# Altium PCB Board.PcbDoc (continued)
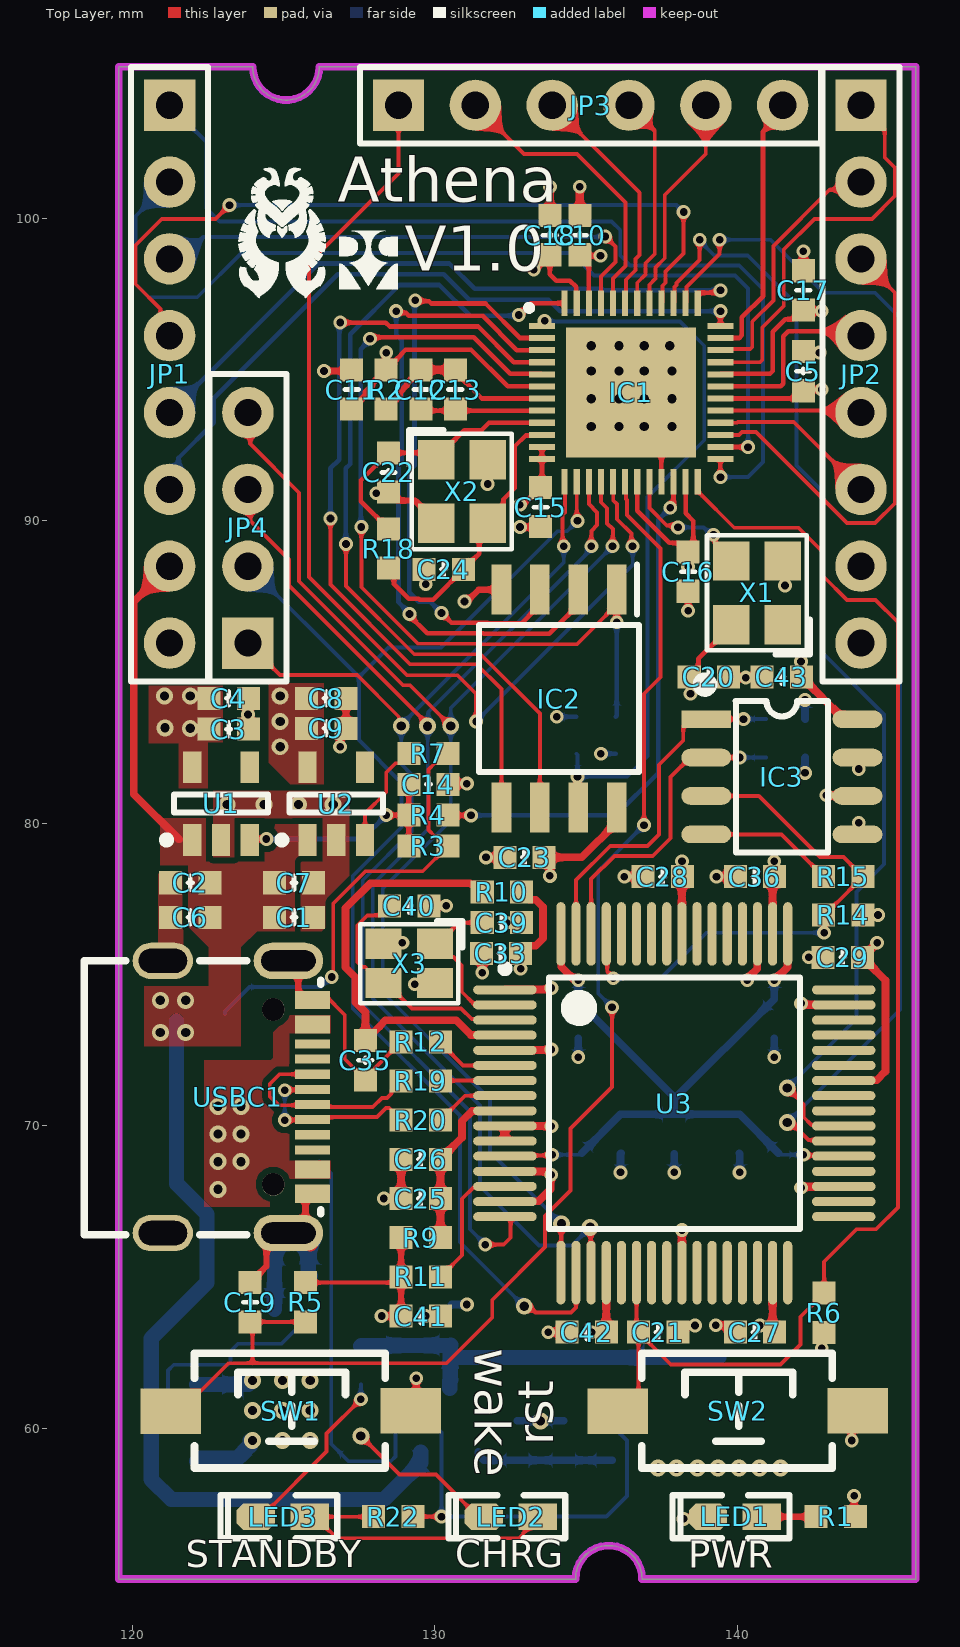
[diagram p0: Top Layer view]
## Nets (pads, with @x,y where several pads share a name; then routed paths per layer and width w, separated by ;. In a path a pad name is that pad's centre, name@x,y a point inside that pad or via, vN(x,y) a via of type N, cw(c..) or ccw(c..) an arc to the next point about the centre after c; other vN are vias at no path point)
1V8: C3.1 C4.1 C5.2 C10.1 C11.2 IC1.6 IC1.30 IC1.46 R2.1 U1.5 | length 14
  Top Layer w0.152: v1(128.397,95.555) R2.1 128.88,95.468 128.88,95.491 129.035,95.646 131.201,95.646 132.41,94.437 IC1.6 ; C10.1 134.834,98.755 v1(135.484,98.755) ; IC1.46 135.096,97.966 C10.1@135.096,98.721 ; IC1.30 141.931,94.037 C5.2 142.229,94.336 v1(142.799,94.336)
  Top Layer w0.203: C11.2 127.711,94.143 127.711,94.25 127.94,94.478 127.94,94.528 R2.1
  other v2: 121.92,83.134 121.08,83.15 121.07,84.201 121.92,84.201
3V3: C8.1 C9.1 C15.2 C16.2 C17.2 C18.2 C20.2 C23.1 C27.2 C28.2 C29.2 C33.2 C36.2 C41.2 C42.2 C43.1 IC1.11 IC1.12 IC1.19 IC1.23 IC1.32 IC1.47 IC2.8 IC3.6 IC3.8 JP2.7 R1.1 R5.2 R6.2 R8.2 R9.2 R10.2 R11.2 R13.2 R14.2 R16.2 R17.2 U2.5 U3.20 U3.31 U3.42 U3.50 U3.56 X1.4 | length 57.2
  Top Layer w0.127: R5.2 128.702,64.81 R11.2 ; v1(142.799,62.636) 142.799,63.089 R6.2
  Top Layer w0.152: v1(132.817,90.526) 132.875,90.584 132.987,90.584 133.546,91.143 IC1.12 IC1.11 ; C18.2@133.807,98.755 133.807,98.146 134.016,97.937 134.466,97.937 134.675,97.728 134.675,97.208 IC1.47 ; IC1.19 136.703,91.28 136.703,90.325 137.757,89.271 138.074,89.271 C16.2@138.296,89.049 ; IC1.23 138.296,90.243 138.55,89.989 138.55,89.271 138.328,89.049 C16.2@138.296,89.049 ; v1(138.379,88.479) C16.2 C16.2@138.296,89.049 ; v1(138.455,84.277) 138.455,84.796 C20.2 138.72,85.141 138.72,85.43 139.803,86.513 X1.4 ; IC1.32 139.467,94.858 141.084,94.858 141.173,94.947 141.173,96.239 141.591,96.657 141.88,96.657 C17.2@142.149,96.926
  Top Layer w0.203: v1(128.245,63.703) C41.2 R11.2 R9.2 ; v1(133.274,98.298) 133.314,98.298 C18.2 ; v1(143.866,57.76) 143.866,57.114 R1.1
  Top Layer w0.254: v1(132.842,75.184) C33.2 133.096,75.946 133.339,75.946 133.583,76.19 133.583,77.226 133.339,77.47 133.126,77.47 R10.2 ; v1(133.807,78.257) 133.807,78.679 C23.1 134.866,78.867 136.017,80.018 IC2.8 ; v1(135.189,63.17) C42.2 ; C42.2@135.651,63.246 135.672,63.267 U3.20 ; U3.56 138.172,78.213 C28.2 138.176,78.247 v1(138.176,78.74) ; v1(140.752,63.394) 141.014,63.394 C27.2 ; U3.31 141.172,63.313 C27.2@141.239,63.246 ; U3.50 141.172,78.165 C36.2 141.224,78.247 v1(141.224,78.74) ; v1(142.113,85.344) 142.113,84.851 C43.1 143.525,83.439 IC3.8 ; C17.2@142.225,96.926 v1(142.799,96.926) ; v1(142.951,80.924) 142.964,80.912 143.965,80.912 IC3.6 ; U3.42 143.531,71.498 144.61,71.498 144.902,71.79 144.902,74.808 C29.2 v1(144.628,76.048) ; R14.2@144.16,76.708 144.414,76.962 v1(144.653,76.962)
  Bottom Layer w0.152: v1(134.036,83.515) R16.2 ; v1(135.494,82.296) R17.2
  Bottom Layer w0.254: v1(142.24,81.661) 142.24,82.154 R13.2 ; v1(142.24,84.074) 142.24,83.454 R8.2
  other v2: 124.892,82.525 124.892,83.363 124.892,84.201
GND: C1.2 C2.2 C3.2 C4.2 C5.1 C6.2 C7.2 C8.2 C9.2 C10.2 C11.1 C14.1 C15.1 C16.1 C17.1 C18.1 C19.1 C20.1 C21.1 C22.1 C23.2 C24.2 C25.1 C26.1 C27.1 C28.1 C29.1 C30.1 C31.1 C32.1 C33.1 C35.1 C36.1 C37.1 C38.1 C39.1 C40.1 C41.1 C42.1 C43.2 C44.1 C45.1 C46.1 C47.1 IC1.21 IC1.49 IC2.4 IC3.5 IC3.7 J1.1 J1.3 J1.9 JP1.8 JP2.8 JP5.1 LED1.2 R12.1 R21.1 R24.1 SW1.2 SW2.2 U1.2 U2.2 U3.1 U3.5 U3.10 U3.11 U3.13 U3.15 U3.25 U3.35 U3.47 U3.51 USBC1.0 USBC1.A1 USBC1.A12 USBC1.B1 USBC1.B12 X1.2 X2.2 X2.4 X3.2 X3.4 | length 72.9
  Top Layer w0.127: USBC1.A1 126.387,74.298 127.025,73.659 127.025,72.197 C35.1 128.029,71.829 128.029,71.91 R12.1
  Top Layer w0.152: IC1.49 137.496,93.237 IC1.21 ; v1(138.379,87.02) C16.1
  Top Layer w0.203: C19.1 124.435,65.344 124.435,66 124.883,66.448 USBC1.0@125.163,66.448 ; USBC1.0@125.163,75.448 125.488,75.123 125.488,74.046 125.537,73.998 USBC1.B12 ; USBC1.0@125.73,66.908 125.73,67.55 125.778,67.598 USBC1.A12 USBC1.B1 ; v1(126.34,94.945) 127.213,94.945 C11.1 ; v1(126.873,82.525) 126.873,82.941 C9.2 C8.2 ; v1(128.067,90.907) 128.438,90.907 C22.1 128.753,90.663 129.353,90.663 130.05,89.966 X2.2 ; X3.2 128.345,76.048 v1(128.93,76.048) ; SW1.2 129.388,60.757 v1(129.388,61.646) ; v1(129.341,74.676) 129.973,74.676 X3.4 ; C24.2 129.707,88.337 v1(129.707,87.898) ; C40.1 v1(130.378,77.267) ; v1(130.988,87.325) 131.057,87.325 131.449,87.718 IC2.4 ; v1(131.75,91.211) X2.4 ; v1(132.82,89.787) 133.491,89.787 C15.1 ; v1(138.227,56.998) 138.262,57.032 139.001,57.032 LED1.2 ; X1.2 141.58,88.587 v1(141.58,87.859) ; SW2.2@143.764,60.579 143.789,60.554 v1(143.789,59.588)
  Top Layer w0.254: C4.2@123.825,84.125 123.825,83.124 C3.2 ; v1(128.321,67.589) C25.1 ; C25.1@128.89,67.655 C26.1@128.89,68.656 ; v1(129.703,63.703) C41.1 ; C14.1 130.469,81.305 v1(131.064,81.305) ; C33.1 131.572,75.662 v1(131.572,75.057) ; v1(131.699,78.867) C23.2 ; U3.15 132.331,67.498 133.432,67.498 133.828,67.894 v1@133.828,68.423 ; U3.13 132.331,68.48 133.697,68.48 133.8,68.377 v1(133.855,68.377) ; U3.11 U3.10 132.328,69.983 133.852,69.983 v1(133.858,69.977) ; U3.5 132.331,72.498 133.839,72.498 v1(133.858,72.517) ; U3.1 132.331,74.498 133.752,74.498 133.803,74.549 v1(133.858,74.549) ; v1(132.385,76.708) C39.1@132.618,76.708 ; v1(133.756,63.17) C42.1 ; C18.1 v1(133.807,101.041) ; C10.2 v1(134.798,101.041) ; v1(136.271,78.232) C28.1 ; C21.1 138.263,63.394 v1(138.608,63.394) ; U3.25 138.174,65.141 138.174,66.546 v1(138.176,66.548) ; v1(139.294,63.398) 139.71,63.398 C27.1 ; v1(139.319,78.232) C36.1 ; C20.1 139.741,84.811 v1(140.284,84.811) ; v1@140.259,84.836 C43.2 ; v1(140.335,74.803) 140.335,74.858 140.663,75.186 140.663,76.33 U3.51 ; v1(142.113,67.945) 142.148,67.98 143.513,67.98 U3.35 ; v1(142.113,74.041) 142.168,74.041 142.211,73.998 143.513,73.998 U3.47 ; C5.1 142.23,95.555 v1(142.723,95.555) ; C17.1 v1(142.189,98.908) ; v1(142.367,75.565) C29.1 ; IC3.5 144.018,79.669 v1(144.018,80.01) ; IC3.7 144.018,82.129 v1(144.018,81.788)
  Top Layer w0.508: USBC1.0@125.163,66.448 125.526,66.448 USBC1.0@125.882,66.092
  Bottom Layer w0.254: C46.1 130.566,64.084 v1(131.064,64.084) ; C47.1 R24.1 ; v1(134.747,72.263) C30.1 ; v1(136.144,68.453) 136.144,69.073 C32.1 ; v1(137.922,68.453) C37.1 ; C31.1 140.081,69.073 v1(140.081,68.453) ; v1(141.224,72.263) C38.1
  Bottom Layer w0.508: J1.1@122.135,58.903 122.231,58.999 123.482,58.999 123.901,59.418 J1.9@123.901,59.588 ; J1.3@122.149,61.456 122.135,61.443 123.844,61.443 123.901,61.5 J1.9@123.901,61.57 ; C45.1 C44.1 124.704,66.128 125.023,66.448 125.505,66.448 125.824,66.128 125.824,65.097 R21.1
  other v1: 123.825,83.591
  other v2: 137.389,58.674 137.998,58.674 138.684,58.674 139.37,58.674 140.056,58.674 140.741,58.674 141.427,58.674 123.977,59.588 124.968,59.588 125.882,59.588 133.502,60.238 123.977,60.579 124.968,60.579 125.882,60.579 123.977,61.57 124.968,61.57 125.882,61.57 123.139,80.62 124.358,80.62 125.501,80.62 126.644,80.62 135.179,93.116 136.093,93.116 136.931,93.116 137.846,93.116 135.179,94.031 136.093,94.031 136.931,94.031 137.846,94.031 135.179,94.945 136.093,94.945 136.931,94.945 137.846,94.945 135.179,95.783 136.093,95.783 136.931,95.783 137.77,95.783
HF_U1_RX: IC1.45 JP1.3 | length 17.3
  Top Layer w0.127: IC1.45 135.496,98.067 135.979,98.55 135.979,99.058 v1(135.641,99.397)
  Bottom Layer w0.127: JP1.3 121.625,98.654 122.349,99.377 135.622,99.377 v1(135.641,99.397)
HF_U1_TX: IC1.40 JP1.4 | length 25.5
  Top Layer w0.127: JP1.4 120.933,96.415 120.933,96.999 120.117,97.815 120.117,99.116 120.976,99.974 122.758,99.974 v1(123.215,100.432) ; IC1.40 137.529,97.22 137.529,97.766 137.63,97.866 137.63,98.234 138.227,98.831 138.227,100.2 v1(138.23,100.203)
  Bottom Layer w0.127: v1(123.215,100.432) 137.991,100.432 138.219,100.203 v1(138.23,100.203)
I2C_SCL: IC1.37 JP1.5 | length 21.7
  Top Layer w0.152: IC1.37 138.696,97.512 138.72,97.536 139.287,97.536 139.364,97.612 v1(139.446,97.612)
  Bottom Layer w0.152: JP1.5 126.162,98.501 130.48,98.501 131.318,97.663 135.532,97.663 135.583,97.612 v1(139.446,97.612)
I2C_SDA: IC1.36 JP1.6 | length 23.1
  Top Layer w0.152: IC1.36 v1(139.446,96.926)
  Bottom Layer w0.152: JP1.6 121.53,91.33 121.53,92.071 122.696,93.237 122.696,94.041 124.15,95.496 126.8,98.146 130.302,98.146 131.14,97.307 133.764,97.307 134.145,96.926 v1(139.446,96.926)
IO1: IC1.26 JP1.2 | length 31.5
  Top Layer w0.152: IC1.26 139.449,92.434 140.357,92.434 v1(140.36,92.431)
  Bottom Layer w0.127: JP1.2 120.117,100.077 120.117,97.815 120.548,97.384 122.149,97.384 123.609,98.844 134.533,98.844 135.269,98.108 139.932,98.108 140.36,97.679 v1(140.36,92.431)
IO9: IC1.33 JP2.1 | length 13.2
  Top Layer w0.127: IC1.33 140.756,95.237 140.83,95.311 140.83,96.381 141.541,97.093 141.541,98.96 142.556,99.974 144.454,99.974 145.211,100.731 145.211,101.674 144.881,102.004 144.881,102.947 JP2.1
IO11: IC1.35 JP3.6 | length 8.9
  Top Layer w0.152: IC1.35 140.068,96.037 140.157,96.126 140.157,96.722 140.856,97.42 140.856,102.856 141.503,103.504 JP3.6
IO19: IC1.41 JP3.5 | length 7.3
  Top Layer w0.127: IC1.41 137.096,97.799 137.3,98.003 137.3,98.371 137.605,98.676 137.605,100.767 138.963,102.126 JP3.5
IO20: IC1.42 JP3.4 | length 7.1
  Top Layer w0.127: JP3.4 137.274,102.883 137.274,98.813 136.969,98.508 136.969,98.14 136.696,97.866 IC1.42
IO21: IC1.43 JP3.3 | length 7.9
  Top Layer w0.127: JP3.3 136.774,100.843 136.774,98.779 136.639,98.645 136.639,98.276 136.329,97.966 136.329,97.22 IC1.43
IO22: IC1.44 JP3.2 | length 9.8
  Top Layer w0.127: JP3.2 132.954,102.123 134.707,102.123 136.309,100.52 136.309,98.413 135.896,98 IC1.44
JTAG_TCK: IC1.13 JP4.1 U3.16 | length 38.1
  Top Layer w0.127: JP4.1 124.887,84.892 127.438,84.892 128.812,83.518 128.812,83.293 v2(128.895,83.21) ; v1(131.674,66.065) 132.283,66.065 132.512,66.294 132.512,66.909 132.432,66.989 U3.16 ; v1(134.264,89.154) 134.226,89.192 134.226,90.197 134.302,90.274 134.302,91.281 IC1.13
  Bottom Layer w0.127: v2@128.874,83.231 134.264,88.621 v1(134.264,89.154) ; v2(128.895,83.21) 128.895,81.951 129.235,81.61 129.235,79.725 127.622,78.112 127.622,74.013 131.166,70.469 131.166,66.573 v1(131.674,66.065)
JTAG_TDI: IC1.16 JP4.4 U3.17 | length 45.2
  Top Layer w0.127: JP4.4 123.905,93.494 123.905,92.533 125.514,90.924 125.514,87.995 128.953,84.557 129.184,84.557 v2(130.531,83.21) ; U3.17 134.182,65.149 134.182,66.745 v2(134.193,66.755) ; IC1.16 135.503,91.281 135.503,90.607 135.7,90.41 135.7,89.909 135.89,89.719 135.89,89.165 v1(135.877,89.152)
  Bottom Layer w0.127: v2(134.193,66.755) 131.826,69.122 131.826,70.866 128.283,74.409 128.283,77.838 130.531,80.086 v2(130.531,83.21) 130.531,83.805 v1(135.877,89.152)
JTAG_TDO: IC1.14 JP4.2 U3.18 | length 43.3
  Top Layer w0.127: v2(132.96,64.027) 133.043,63.944 133.211,63.944 133.333,63.822 134.51,63.822 134.672,63.984 U3.18 ; IC1.14 134.696,90.018 v1(134.722,89.992)
  Bottom Layer w0.127: JP4.2 127.493,84.825 ; v2(132.96,64.027) 132.95,64.027 130.835,66.142 130.835,70.333 127.292,73.876 127.292,78.249 128.905,79.862 128.905,81.331 127.493,82.742 127.493,84.825 ; v1(134.722,89.992) 134.379,89.649 134.059,89.649 130.211,85.801 128.469,85.801 127.493,84.825
JTAG_TMS: IC1.15 JP4.3 U3.19 | length 44.4
  Top Layer w0.127: JP4.3 123.905,90.954 123.905,89.993 125.184,88.714 125.184,87.858 129.763,83.279 v2(129.763,83.205) ; IC1.15 135.096,90.547 135.369,90.274 135.369,89.854 135.179,89.663 v1(135.179,89.154) ; v2(135.141,66.637) 135.156,66.621 135.156,65.155 U3.19
  Bottom Layer w0.127: v2(129.763,83.205) 129.769,83.2 129.769,79.791 127.953,77.975 127.953,74.206 131.496,70.663 131.496,67.996 133.452,66.04 134.544,66.04 v2(135.141,66.637) ; v2@129.769,83.21 129.791,83.233 129.791,83.68 135.179,89.068 v1(135.179,89.154)
NetC14_2: C14.2 R3.2 R4.2 U1.3 | length 7.6
  Top Layer w0.152: U1.3 123.918,79.477 v1(124.435,79.477) ; v1(128.397,80.264) R4.2 ; R3.2 R4.2 ; C14.2 R4.2
  Bottom Layer w0.152: v1(124.435,79.477) 127.61,79.477 v1(128.397,80.264)
NetC25_2: C25.2 C26.2 R9.1 U3.9 | length 5.1
  Top Layer w0.254: R9.1@130.19,66.421 C25.2@130.19,67.437 ; C25.2@130.19,67.666 C26.2@130.19,68.656 ; C26.2 130.901,69.596 130.901,70.147 131.234,70.48 132.313,70.48 U3.9
NetC35_2: C35.2 R10.1 U3.4 | length 14.7
  Top Layer w0.254: R10.1 131.318,77.978 131.207,77.978 131.169,78.016 127.877,78.016 127.049,77.188 127.049,75.238 127.379,74.908 127.379,74.075 127.711,73.743 C35.2 128.179,73.279 128.179,73.289 128.372,73.482 130.708,73.482 131.192,72.998 132.313,72.998 U3.4
NetC39_2: C39.2 U3.2 X3.1 | length 5.4
  Top Layer w0.127: X3.1 X3.1@130.109,76.012 ; C39.2 130.805,76.708 X3.1@130.109,76.012 ; U3.2 132.289,74.022 131.3,74.022 130.894,74.427 130.894,75.304 130.624,75.574 130.62,75.574 130.618,75.575 130.546,75.575 X3.1@130.109,76.012
NetC40_2: C40.2 U3.3 X3.3 | length 8.4
  Top Layer w0.127: C40.2@128.509,77.419 C40.2 128.192,76.949 127.769,76.949 127.442,76.622 127.442,75.401 127.599,75.245 127.698,75.245 127.772,75.171 127.772,75.148 128.209,74.712 128.409,74.712 129.245,73.876 130.871,73.876 131.224,73.522 132.289,73.522 U3.3
NetC47_2: C47.2 Q1.1 R23.1 R24.2 | length 4.6
  Bottom Layer w0.254: Q1.1 131.445,59.111 131.618,58.938 C47.2 R24.2 R23.1@135.865,58.938
NetIC3_1: IC3.1 R8.1 U3.63 | length 11.9
  Top Layer w0.127: U3.63 134.672,78.116 135.804,79.248 137.033,79.248 137.414,79.629 137.414,81.929 138.216,82.731 138.216,83.21 138.445,83.439 IC3.1 v1(140.208,83.439)
  Bottom Layer w0.127: v1(140.208,83.439) R8.1
NetIC3_2: IC3.2 R13.1 U3.62 | length 10.4
  Top Layer w0.127: U3.62 135.172,78.149 135.941,78.918 137.211,78.918 137.795,79.502 137.795,81.519 138.445,82.169 IC3.2 v1(140.081,82.169)
  Bottom Layer w0.127: v1(140.081,82.169) R13.1
NetIC3_3: IC3.3 R14.1 R15.1 U3.61 | length 18.1
  Top Layer w0.127: U3.61 135.705,76.306 135.705,75.106 135.903,74.909 v1(135.903,74.874) ; IC3.3 140.716,80.899 142.735,78.88 143.512,78.88 R15.1 143.177,77.249 143.177,77.025 R14.1@142.875,76.723 ; R14.1 142.875,76.947 R14.1@142.875,76.723 ; v1(142.875,76.378) R14.1@142.875,76.723
  Bottom Layer w0.127: v1(135.903,74.874) 137.485,74.874 138.989,76.378 v1(142.875,76.378)
NetIC3_4: IC3.4 R15.2 | length 4.5
  Top Layer w0.127: IC3.4 141.463,79.629 R15.2
NetJ1_2: J1.2 R21.2 | length 8.1
  Bottom Layer w0.127: J1.2@122.135,60.173 121.722,60.173 121.722,60.249 121.512,60.459 121.436,60.459 121.182,60.713 121.182,61.905 121.373,62.096 123.169,62.096 123.244,62.17 123.244,62.539 123.493,62.789 124.932,62.789 R21.2
NetJ1_6: J1.6 LED3.2 | length 5.9
  Top Layer w0.127: LED3.2 124.137,57.067 124.189,57.067 124.264,57.142 124.35,57.142 126.428,59.22 126.428,59.824 v1(127.559,60.954)
  Bottom Layer w0.127: v1(127.559,60.954) J1.6@127.559,61.443
NetJ1_7: J1.7 LED2.2 | length 5.2
  Top Layer w0.127: v2(127.559,59.741) 128.839,58.461 130.039,58.461 131.432,57.067 LED2.2
NetLED1_1: LED1.1 R1.2 | length 1.8
  Top Layer w0.203: LED1.1 142.599,57.067 R1.2
NetLED2_1: LED2.1 LED3.1 R22.1 | length 10.6
  Top Layer w0.127: LED3.1 LED3.1@126.053,57.067 ; R22.1@127.906,57.143 R22.1 ; R22.1@128.128,57.074 128.121,57.067 LED3.1@126.053,57.067 ; LED2.1@133.68,57.067 133.49,57.067 132.779,56.356 126.764,56.356 LED3.1@126.053,57.067
NetR7_2: R7.2 U2.3 | length 3.5
  Top Layer w0.127: U2.3 127.696,80.321 128.397,81.022 128.397,81.672 128.703,81.979 128.827,81.979 R7.2
NetR11_1: R11.1 U3.14 | length 4.7
  Top Layer w0.127: R11.1@130.19,64.745 R11.1 130.904,65.712 130.904,67.581 131.278,67.956 132.289,67.956 U3.14
NetR12_2: R12.2 U3.6 | length 2.5
  Top Layer w0.127: R12.2@130.15,72.771 130.932,71.989 U3.6
NetR19_1: R19.1 U3.7 | length 2.1
  Top Layer w0.127: R19.1 130.203,71.489 U3.7
NetR20_1: R20.1 U3.8 | length 2.5
  Top Layer w0.127: R20.1 130.999,70.989 U3.8
PLL_AVDD: C12.2 C13.2 IC1.7 R2.2 | length 6.2
  Top Layer w0.152: C13.2@130.741,94.851 131.555,94.037 IC1.7
  Top Layer w0.203: R2.2 128.854,94.143 128.854,94.25 129.083,94.478 129.083,94.528 C12.2
  Top Layer w0.254: C12.2 C13.2@130.607,94.986 ; C13.2 C13.2@130.818,94.851
PLL_AVSS: C12.1 C13.1 IC1.8 | length 4
  Top Layer w0.152: C12.1 129.589,93.637 130.607,93.637 IC1.8
PWM: IC1.25 JP1.1 | length 31.8
  Top Layer w0.127: v1(139.446,91.44) IC1.25
  Bottom Layer w0.127: JP1.1 122.453,102.514 122.453,100.33 122.891,99.892 135.847,99.892 136.136,99.603 136.136,98.764 136.463,98.438 140.068,98.438 140.856,97.65 140.856,91.935 140.36,91.44 v1(139.446,91.44)
QSPI_CS0: IC1.5 IC2.1 R16.1 | length 28.5
  Top Layer w0.127: v1(127.577,89.791) 127.577,87.8 129.449,85.928 131.464,85.928 131.477,85.915 134.7,85.915 136.017,87.232 IC2.1
  Top Layer w0.152: v1(127.86,96.015) 127.908,96.063 131.287,96.063 132.493,94.858 133.525,94.858 IC1.5 ; v1(136.017,86.639) IC2.1@136.017,87.232
  Bottom Layer w0.152: v1(127.577,89.791) 127.559,89.809 127.559,95.67 127.86,95.971 v1(127.86,96.015) ; R16.1 136.017,83.551 v1(136.017,86.639)
QSPI_DQ0: IC1.4 IC2.5 | length 27
  Top Layer w0.127: v1(126.554,90.068) 126.554,87.89 129.189,85.255 131.382,85.255 132.207,84.43 IC2.5
  Top Layer w0.152: v1(126.879,96.552) 126.886,96.545 128.386,96.545 128.513,96.418 131.435,96.418 132.616,95.237 IC1.4
  Bottom Layer w0.152: v1(126.554,90.068) 126.554,91.726 126.848,92.02 126.848,96.521 v1(126.879,96.552)
QSPI_DQ1: IC1.3 IC2.2 | length 22.4
  Top Layer w0.152: v1(128.725,96.926) 128.784,96.868 129.051,96.868 129.145,96.774 131.582,96.774 132.719,95.637 IC1.3 ; v1(129.167,86.911) 129.167,86.86 129.756,86.271 131.606,86.271 131.619,86.258 133.787,86.258 134.747,87.218 IC2.2
  Bottom Layer w0.152: v1(128.725,96.926) 128.725,96.145 128.905,95.965 128.905,91.892 128.803,91.79 128.803,87.302 129.167,86.939 v1(129.167,86.911)
QSPI_DQ2: IC1.2 IC2.3 | length 19.9
  Top Layer w0.152: v1(129.356,97.282) 129.381,97.257 129.813,97.257 129.889,97.18 131.679,97.18 132.822,96.037 IC1.2 ; v1(130.226,86.944) 130.237,86.944 130.555,86.627 131.753,86.627 131.766,86.614 132.873,86.614 133.477,87.218 IC2.3
  Bottom Layer w0.152: v1(129.356,97.282) 129.331,97.257 129.331,91.815 129.159,91.643 129.159,87.637 129.476,87.32 129.85,87.32 v1(130.226,86.944)
QSPI_DQ3: IC1.1 IC2.7 R17.1 | length 24.6
  Top Layer w0.152: IC1.1 133.611,96.437 133.635,96.461 v1(133.635,96.605) ; v1(134.722,81.534) 134.722,80.543 IC2.7
  Bottom Layer w0.127: v1(133.635,96.605) 133.656,96.584 138.112,96.584 138.913,95.783 138.913,92.659 137.033,90.78 137.033,82.209 136.358,81.534 v1(134.722,81.534) 134.722,82.256 R17.1
QSPI_SCK: IC1.48 IC2.6 | length 28
  Top Layer w0.127: v1(127.069,89.23) 127.069,87.841 129.325,85.585 131.519,85.585 133.477,83.627 IC2.6
  Top Layer w0.152: v1(132.778,96.799) 132.785,96.799 133.173,97.187 IC1.48
  Bottom Layer w0.152: v1(127.069,89.23) 127.062,89.237 127.062,91.731 127.203,91.873 127.203,96.158 128.835,97.79 130.155,97.79 131.171,96.774 132.753,96.774 v1(132.778,96.799)
RESET: C21.2 IC1.24 R6.1 SW2.1 U3.22 | length 45.9
  Top Layer w0.127: SW2.1@135.831,60.559 136.052,60.559 136.739,61.246 C21.2 137.806,62.103 141.427,62.103 142.089,62.764 142.089,63.679 R6.1 142.875,65.497 143.95,66.572 144.595,66.572 145.313,67.291 145.313,86.639 144.576,87.377 143.632,87.377 142.831,88.178 142.831,88.963 142.03,89.764 139.903,89.764 138.741,90.926 138.733,90.926 138.696,90.962 IC1.24 ; C21.2@136.672,63.246 U3.22
RST: IC1.34 JP2.2 | length 8.5
  Top Layer w0.127: IC1.34 139.479,95.67 140.426,95.67 140.5,95.745 140.5,96.578 141.199,97.277 141.199,99.084 143.054,100.94 143.84,100.94 JP2.2
RTC_XI: IC1.20 X1.3 | length 4.5
  Top Layer w0.127: IC1.20 137.096,90.416 137.671,89.842 137.979,89.842 v1(138.042,89.779) ; v1(139.217,89.535) 139.267,89.486 139.267,89.2 X1.3
  Bottom Layer w0.127: v1(138.042,89.779) 138.885,89.779 139.128,89.535 v1(139.217,89.535)
SPI_CS0: IC1.27 JP2.3 | length 15.9
  Top Layer w0.127: IC1.27 140.066,92.837 140.155,92.926 140.623,92.926 143.632,89.917 144.557,89.917 145.211,90.571 145.211,97.537 JP2.3
SPI_MISO: IC1.29 JP2.5 | length 4.5
  Top Layer w0.127: IC1.29 143.853,93.637 JP2.5@143.891,93.599
SPI_MOSI: IC1.28 JP2.6 | length 5.6
  Top Layer w0.127: IC1.28 139.999,93.237 140.018,93.256 141.872,93.256 JP2.6
SPI_SCK: IC1.31 JP2.4 | length 6.2
  Top Layer w0.152: IC1.31 141.439,94.437 141.529,94.526 141.529,94.8 141.529,96.092 141.692,96.256 142.088,96.256 143.774,96.256 JP2.4@143.891,96.139
UART0_RX: IC1.38 U3.38 | length 39.9
  Top Layer w0.127: IC1.38 138.329,97.22 138.329,97.722 139.421,98.814 v1(139.421,99.289) ; v2(141.656,70.104) 141.773,70.104 142.355,69.522 143.489,69.522 U3.38
  Bottom Layer w0.127: v1(139.421,99.289) 141.108,99.289 142.859,97.537 144.551,97.537 145.39,96.698 145.39,73.838 v2(141.656,70.104)
UART0_TX: IC1.39 U3.39 | length 37.6
  Top Layer w0.127: IC1.39 137.929,97.22 137.929,97.722 137.999,97.792 137.999,97.859 138.76,98.62 v1(138.76,99.289) ; v2(141.656,71.247) 142.202,70.701 142.202,70.277 142.442,70.037 142.452,70.037 142.467,70.022 143.489,70.022 U3.39
  Bottom Layer w0.127: v1(138.76,99.289) 138.76,99.249 139.241,98.768 140.348,98.768 141.961,97.155 141.961,91.821 142.799,90.983 142.799,85.649 144.856,83.591 144.856,78.638 143.942,77.724 143.942,73.533 v2(141.656,71.247)
USB_D_N: R19.2 USBC1.A7 USBC1.B7 | length 6.9
  Top Layer w0.127: USBC1.B7 124.871,71.698 124.549,71.376 124.549,70.966 124.839,70.675 125.939,70.675 USBC1.A7 126.045,70.615 127.954,70.615 128.256,70.917 128.422,70.917 128.573,71.067 128.573,71.158 R19.2
USB_D_P: R20.2 USBC1.A6 USBC1.B6 | length 6.1
  Top Layer w0.127: v1(125.044,70.18) 125.053,70.189 125.954,70.189 126.047,70.281 126.647,70.281 126.65,70.284 128.09,70.284 128.393,70.587 128.498,70.587 128.573,70.512 128.573,70.498 R20.2 ; v1(125.044,71.171) 125.058,71.184 125.95,71.184 USBC1.A6
  Bottom Layer w0.127: v1(125.044,70.18) v1(125.044,71.171)
V_BUS: C1.1 C2.1 C6.1 C7.1 D1.2 JP1.7 Q1.2 R3.1 R7.1 U1.1 U2.1 | length 51.4
  Top Layer w0.127: v1(126.595,74.912) 126.647,74.964 126.647,77.345 127.711,78.41 129.606,78.41 R3.1 130.127,79.566 130.003,79.566 129.796,79.773 129.796,81.772 130.003,81.979 130.127,81.979 R7.1
  Top Layer w0.254: JP1.7 120.054,87.313 120.054,80.962 121.548,79.468
  Bottom Layer w0.127: D1.2 123.063,73.77 123.874,74.581 126.243,74.581 126.574,74.912 v1(126.595,74.912)
  Bottom Layer w0.508: 121.463,73.457 121.463,68.078 122.47,67.07 122.47,64.807 120.625,62.961 120.625,58.305 121.291,57.638 128.326,57.638 129.545,58.857 Q1.2
  other v2: 120.929,73.076 121.768,73.076 120.929,74.143 121.768,74.143
VBAT: C46.2 J1.5 JP5.2 Q1.3 | length 13.3
  Bottom Layer w0.508: J1.5@127.559,62.713 127.577,62.731 C46.2@130.513,62.731 ; Q1.3 130.495,61.554 Q1.3@130.513,61.572 ; C46.2 C46.2@130.513,62.731 ; Q1.3@130.541,61.6 Q1.3@130.513,61.572 ; JP5.2@139.385,62.332 130.513,62.332 ; Q1.3@130.513,61.572 130.513,62.332 ; 130.513,62.332 C46.2@130.513,62.731
VCORE_FT: C30.2 C31.2 C32.2 C37.2 C38.2 U3.12 U3.37 U3.49 U3.64 | length 26.9
  Top Layer w0.127: U3.12 132.346,69.013 133.859,69.013 v1(133.883,69.037) ; v1(142.189,69.037) 142.213,69.013 143.498,69.013 U3.37
  Top Layer w0.254: U3.64 134.181,76.33 134.181,75.251 134.59,74.842 134.708,74.842 v1(134.747,74.803) ; v1(141.224,74.803) 141.663,75.242 141.663,76.33 U3.49
  Bottom Layer w0.127: v1(133.883,69.037) 134.808,69.037 C32.2 ; C31.2 141.417,69.037 v1(142.189,69.037)
  Bottom Layer w0.254: v1(134.747,74.803) C30.2 135.001,73.929 135.001,73.858 135.265,73.594 137.95,70.909 ; C32.2 136.144,70.373 C37.2 ; v1(141.224,74.803) C38.2 137.922,70.881 C37.2 ; C31.2 140.081,70.373 C37.2
VDD_CORE_EN: IC1.22 R4.1 | length 17.4
  Top Layer w0.152: R4.1 130.452,80.256 v1(131.2,80.256) ; v1(137.788,90.425) 137.788,90.471 137.896,90.579 IC1.22
  Bottom Layer w0.152: v1(131.2,80.256) 135.989,80.256 137.389,81.656 137.389,90.026 v1(137.788,90.425)
VUSB: C44.2 C45.2 D1.1 J1.4 J1.8 R22.2 R23.2 USBC1.A4 USBC1.A9 USBC1.B4 USBC1.B9 | length 27.4
  Top Layer w0.127: R22.2 v1(130.226,57.074)
  Bottom Layer w0.127: 126.184,68.812 126.58,68.416 126.58,59.469 127.146,58.903 127.559,58.903 128.549,58.903 128.702,59.055 128.702,59.893 128.933,60.124 129.955,60.124 130.226,59.854 v1(130.226,57.074) 135.674,57.074 136.36,57.76 136.36,59.591 R23.2
  other v2: 122.834,67.894 122.834,68.809 123.596,68.809 122.834,69.723 123.596,69.723 122.834,70.637 123.596,70.637
WAKE: C19.2 IC1.18 R5.1 SW1.1 | length 46
  Top Layer w0.127: SW1.1 121.964,61.246 122.282,61.246 123.177,62.141 123.977,62.141 ; R5.1@125.806,63.434 R5.1 C19.2 123.977,63.434 123.977,62.141 ; 131.902,64.237 131.902,63.655 130.388,62.141 123.977,62.141 ; 131.904,64.238 133.647,65.981 133.647,67.012 134.493,67.858 134.493,69.907 135.865,71.279 v1(135.865,73.914) ; IC1.18 136.329,91.254 136.329,90.714 136.36,90.684 136.36,90.183 137.465,89.078 137.465,84.824 136.919,84.277 v1(136.919,79.934)
  Bottom Layer w0.127: v1(135.865,73.914) 135.407,74.371 135.407,78.422 v1(136.919,79.934)
WF_RESET: IC1.17 JP3.1 | length 35.2
  Top Layer w0.127: JP3.1 128.803,101.475 125.844,98.516 125.844,88.132 129.089,84.887 130.759,84.887 131.369,84.277 v1(131.369,83.363) ; IC1.17 135.905,91.278 135.905,90.672 136.03,90.547 136.03,90.046 136.503,89.573 136.503,89.189 v1(136.538,89.154)
  Bottom Layer w0.127: v1(131.369,83.363) 136.55,88.544 136.55,89.141 v1(136.538,89.154)
XTAL_XI: C22.2 IC1.9 R18.2 X2.1 | length 9
  Top Layer w0.152: R18.2 127.559,90.642 127.559,91.328 C22.2 129.823,92.242 X2.1 130.05,92.066 130.973,92.989 131.547,92.989 131.794,93.237 IC1.9
XTAL_XO: C24.1 IC1.10 R18.1 X2.3 | length 9.3
  Top Layer w0.152: R18.1 128.653,88.248 128.653,87.907 129.141,87.419 129.468,87.419 129.496,87.39 129.95,87.39 C24.1 131.472,88.912 131.472,89.639 132.274,90.44 132.274,90.701 132.639,91.067 132.639,92.451 133.005,92.816 133.525,92.816 IC1.10
pads on no net: JP5.0 U1.4 U2.4 U3.21 U3.23 U3.24 U3.26 U3.27 U3.28 U3.29 U3.30 U3.32 U3.33 U3.34 U3.36 U3.40 U3.41 U3.43 U3.44 U3.45 U3.46 U3.48 U3.52 U3.53 U3.54 U3.55 U3.57 U3.58 U3.59 U3.60 USBC1. USBC1.A5 USBC1.A8 USBC1.B5 USBC1.B8 X1.1

## Polygon pours and split planes (outlines as drawn)
V_BUS on Top Layer "VC" (solid, pour order 4): 123.596,75.895 124.13,76.429 126.187,76.429 126.187,80.162 120.929,80.162 120.929,76.657 121.768,76.657 122.53,75.895 122.53,74.6 120.396,74.6 120.396,72.619 123.596,72.619
VUSB on Top Layer "VC" (solid, pour order 7): 124.658,73.094 124.658,72.243 124.663,72.238 124.587,72.161 122.377,72.161 122.377,67.323 124.549,67.323 124.549,68.123 126.568,68.123 126.568,73.645 125.209,73.645
3V3 on Top Layer "VC" (solid, pour order 6): 124.511,84.658 126.34,84.658 126.34,81.153 125.349,81.153 124.511,81.991
GND on Top Layer "VC" (solid, pour order 5): 120.853,78.41 121.691,78.41 121.691,74.905 120.853,74.905
1V8 on Top Layer "VC" (solid, pour order 2): 122.987,82.677 122.491,82.677 122.491,81.153 121.539,81.153 121.539,82.639 120.548,82.639 120.548,84.544 122.987,84.544
GND on Top Layer "VC" (solid, pour order 1): 126.187,79.438 125.578,78.829 125.578,76.429 126.263,76.429 127.178,77.343 127.178,81.077 122.682,81.077 122.682,78.867 123.368,78.867 123.368,80.162 126.187,80.162
GND on Bottom Layer "gnd" (solid, pour order 11): 136.931,60.465 141.961,60.465 141.961,58.255 136.931,58.255
V_BUS on Bottom Layer "VC" (solid, pour order 10): 120.396,74.6 124.358,74.6 124.358,72.619 120.396,72.619
VUSB on Bottom Layer "VC" (solid, pour order 9): 122.37,64.077 121.387,63.094 121.387,62.408 122.834,62.408 122.911,62.332 123.825,63.246 123.825,67.316 124.542,67.316 124.542,68.116 126.721,68.116 126.721,72.155 124.58,72.155 122.37,72.155
GND on GND (split plane): 145.387,55.518 137.284,55.518 137.275,55.548 137.206,55.715 137.119,55.873 137.014,56.021 136.894,56.155 136.759,56.276 136.612,56.38 136.454,56.467 136.287,56.537 136.114,56.587 135.936,56.617 135.755,56.627 135.575,56.617 135.397,56.587 135.223,56.537 135.056,56.467 134.898,56.38 134.751,56.276 134.616,56.155 134.496,56.021 134.392,55.873 134.304,55.715 134.235,55.548 134.226,55.518 120.068,55.518 120.068,104.493 123.561,104.493 123.567,104.472 123.636,104.305 123.724,104.147 123.828,103.999 123.948,103.865 124.083,103.744 124.23,103.64 124.388,103.553 124.555,103.483 124.729,103.433 124.907,103.403 125.087,103.393 125.268,103.403 125.446,103.433 125.619,103.483 125.786,103.553 125.944,103.64 126.091,103.744 126.226,103.865 126.346,103.999 126.451,104.147 126.538,104.305 126.607,104.472 126.614,104.493 145.387,104.493
3V3 on PWR (split plane): 145.387,55.518 137.284,55.518 137.275,55.548 137.206,55.715 137.119,55.873 137.014,56.021 136.894,56.155 136.759,56.276 136.612,56.38 136.454,56.467 136.287,56.537 136.114,56.587 135.936,56.617 135.755,56.627 135.575,56.617 135.397,56.587 135.223,56.537 135.056,56.467 134.898,56.38 134.751,56.276 134.616,56.155 134.496,56.021 134.392,55.873 134.304,55.715 134.235,55.548 134.226,55.518 120.068,55.518 120.068,82.345 124.435,82.345 124.474,82.353 124.508,82.375 124.53,82.409 124.538,82.448 124.538,93.089 128.93,93.089 128.97,93.097 129.004,93.119 129.026,93.153 129.034,93.193 129.034,99.261 134.313,99.261 134.313,98.374 134.321,98.335 134.344,98.301 134.377,98.278 134.417,98.271 140.485,98.271 140.485,93.574 140.493,93.534 140.516,93.5 140.549,93.478 140.589,93.47 143.18,93.47 143.219,93.478 143.253,93.5 143.276,93.534 143.283,93.574 143.283,94.945 143.276,94.985 143.253,95.018 143.219,95.041 143.18,95.049 141.836,95.049 141.836,102.108 141.828,102.148 141.805,102.181 141.772,102.204 141.732,102.212 137.797,102.212 137.797,104.493 145.387,104.493
1V8 on PWR (split plane): 137.59,102.108 137.598,102.068 137.62,102.035 137.654,102.012 137.693,102.004 141.628,102.004 141.628,94.945 141.636,94.906 141.659,94.872 141.692,94.849 141.732,94.842 143.076,94.842 143.076,93.677 140.693,93.677 140.693,98.374 140.685,98.414 140.662,98.447 140.629,98.47 140.589,98.478 134.52,98.478 134.52,99.365 134.513,99.404 134.49,99.438 134.456,99.461 134.417,99.468 128.93,99.468 128.891,99.461 128.857,99.438 128.835,99.404 128.827,99.365 128.827,93.296 124.435,93.296 124.395,93.288 124.361,93.266 124.339,93.232 124.331,93.193 124.331,82.552 120.068,82.552 120.068,104.493 123.561,104.493 123.567,104.472 123.636,104.305 123.724,104.147 123.828,103.999 123.948,103.865 124.083,103.744 124.23,103.64 124.388,103.553 124.555,103.483 124.729,103.433 124.907,103.403 125.087,103.393 125.268,103.403 125.446,103.433 125.619,103.483 125.786,103.553 125.944,103.64 126.091,103.744 126.226,103.865 126.346,103.999 126.451,104.147 126.538,104.305 126.607,104.472 126.614,104.493 137.59,104.493

## Keep-outs
Keep-Out Layer:
  lines w0.254: 134.655,55.008 119.558,55.008 119.558,105.004 123.987,105.004 ccw(c125.087,105.004) 126.187,105.004 145.898,105.004 145.898,55.008 136.855,55.008 ; 134.655,55.016 cw(c135.755,55.016) 136.855,55.016

## Other copper
PWR (plane layer: these items are gaps in the copper):
  lines w0.203: 119.634,82.448 124.435,82.448 124.435,93.193 128.93,93.193 128.93,99.365 134.417,99.365 134.417,98.374 140.589,98.374 140.589,93.574 143.18,93.574 143.18,94.945 141.732,94.945 141.732,102.108 137.693,102.108 137.693,105.156

## Silkscreen, mask and mechanical layers (free items; w line width, h text height)
Top Overlay:
  drawing of 10 lines, arcs and shapes, not listed
  text "Athena" at 126.797,100.051 h2.54
  text "V1.0" at 129.007,97.765 h2.54
  text "wake" at 130.929,62.636 h2.03 r270
  text "rst" at 134.324,59.436 h2.03 r90
  text "STANDBY" at 121.768,55.109 h1.52
  text "CHRG" at 130.683,55.109 h1.52
  text "PWR" at 138.379,55.093 h1.52
Bottom Overlay:
  text "Proudly Made in USA" at 139.37,99.956 h1.52
Mechanical 1:
  lines w0.254: 134.655,55.008 119.558,55.008 119.558,105.004 123.987,105.004 ccw(c125.087,105.004) 126.187,105.004 145.898,105.004 145.898,55.008 136.855,55.008 ; 134.655,55.016 cw(c135.755,55.016) 136.855,55.016